# KiCad board MB1635_good_conversion.kicad_pcb (continued)
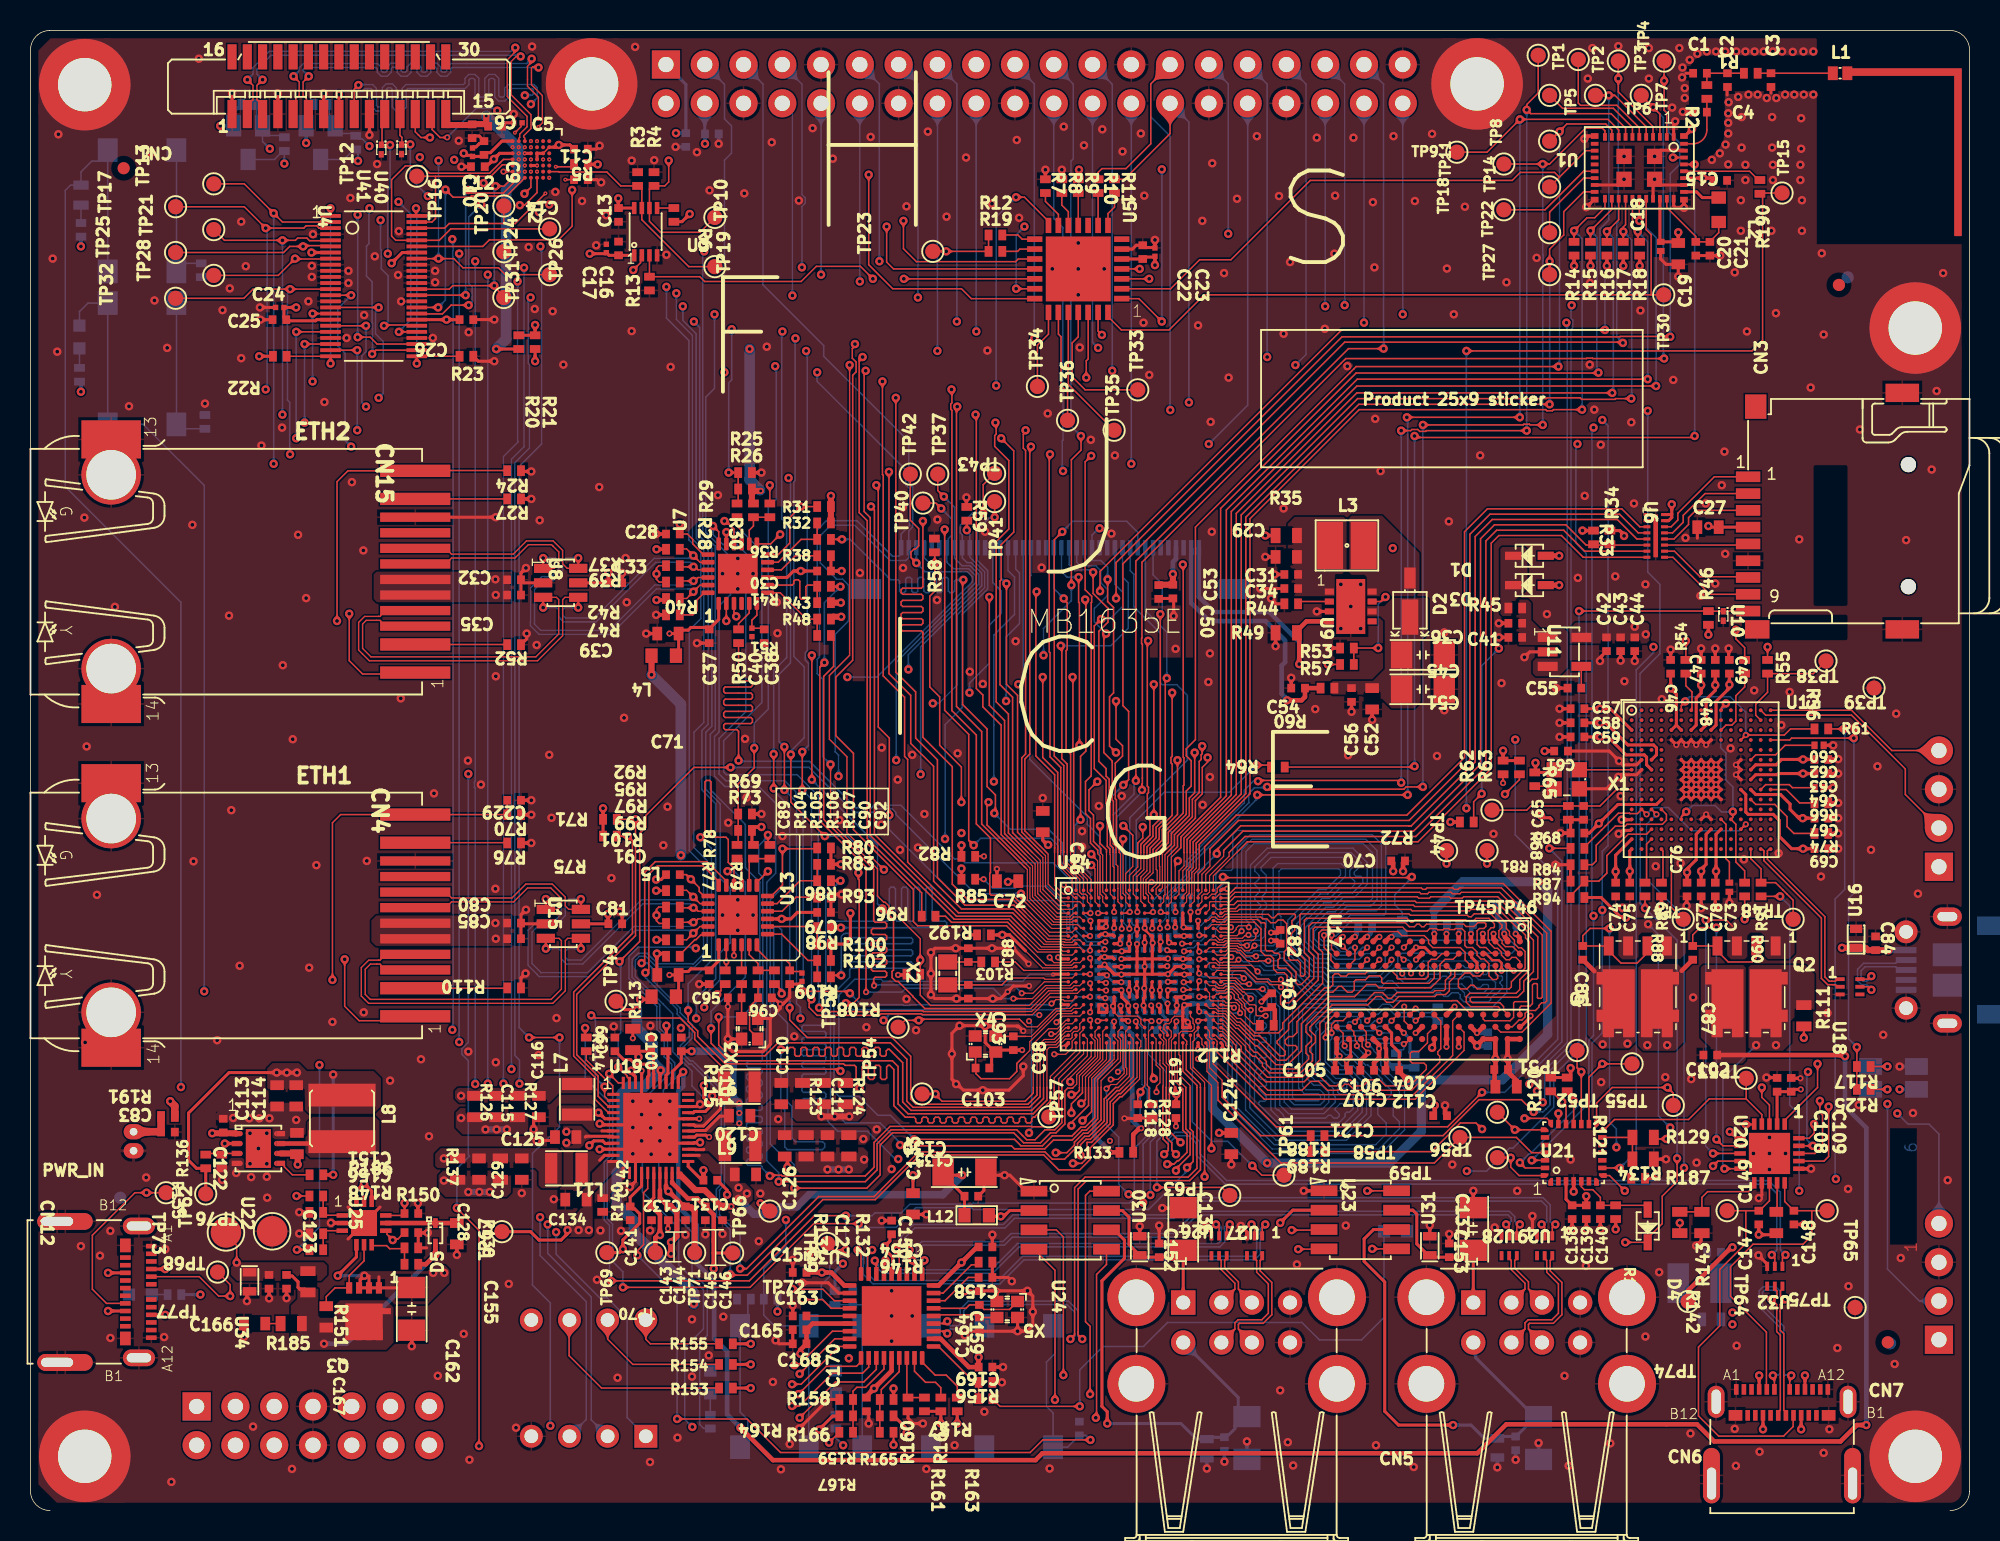
[diagram p0: board, top side]
## Routing (per net, layer and track width the routed paths; a pad name or vN(x,y) marks a point on that pad's centre or on a via; arc(x,y) is an arc through that point) (continued)
NetC73_2: length 4.4
  Top Layer w0.1: U12.M10 111.05,44.98 111.05,42.73 111.28,42.5 C73.2
NetC83_2: length 2.8
  Top Layer w0.5: C83.2 8.55,24.82 ; 8.55,24.82 R191.2 ; 8.55,24.82 8.54,24.83 CN11.1
NetC87_2: length 11.1
  Top Layer w0.1: v1(110.95,22.4) U20.10
  Top Layer w0.3: 108.15,35.38 C87.2
  Bottom Layer w0.1: v1(113.02,30.5) 110.85,28.33 110.85,22.68 110.86,22.67 110.86,22.49 v1(110.95,22.4)
  vias: v1(105.9,30.5) v1(107.2,30.5) v1(114.33,30.5)
NetC88_1: length 2.2
  Top Layer w0.1: X2.1 C88.1 R103.2
NetC90_2: length 4.1
  Top Layer w0.1: C92.2 50.43,35.33 49.8,35.33 C90.2 49.73,35.82 49.48,36.08 48.3,36.08 47.58,36.8 U13.6
NetC93_1: length 8.8
  Top Layer w0.075: U14.M2 68.22,34.9 67.47,34.9 67.39,34.82 66.45,34.82 66.37,34.9 65.17,34.9
  Top Layer w0.09: 65.17,34.9 64.08,34.9 63.85,34.68
  Top Layer w0.1: X2.2 C93.1 63.62,34.45 63.85,34.68
NetC95_2: length 2.3
  Top Layer w0.1: R105.1 C95.2 X3.3
NetC96_2: length 4.1
  Top Layer w0.1: R106.1 C96.2 47.65,33.58 47.1,33.03 47.1,31.5 47.3,31.3 47.3,31.23 X3.1 47.63,30.98
NetC99_1: length 3.8
  Top Layer w0.2: C99.1 38.3,30.1 38.85,29.55 39.3,29.55 39.6,29.25 40.38,29.25 40.5,29.13 40.5,28.5 40.43,28.42 U19.40
NetC136_2: length 11
  Top Layer w0.2: CN5.T1 C136.2 75.05,16.6 C152.2 72.77,16.6 U30.1 71.95,17.43 71.95,19.23 71.52,19.66 U24.7
NetC137_2: length 11.1
  Top Layer w0.2: U23.7 90.54,19.69 90.8,19.43 90.8,17.48 91.55,16.73 U31.1 91.77,16.6 C153.2 94.05,16.6 C137.2 CN6.T1
NetC140_2: length 5.8
  Top Layer w0.1: D4.1 105.93,20 R141.1 C140.2 102.83,20.53 102.33,21.03 101.78,21.03 101.58,21.23 U21.5
NetC142_2: length 5.8
  Top Layer w0.2: 40.7,19.93 40.7,20.38 40.82,20.5 U19.18
  Top Layer w0.3: TP70.1 40.92,17.88 41.1,18.05 v1(41.23,18.05) 41.23,18.18 41.25,18.21 41.22,18.24 41.22,19.4 40.7,19.93 40.82,19.93
NetC147_2: length 26.7
  Top Layer w0.1: CN7.B5 115.45,6.21 115.45,5.5 114.83,4.88 110.58,4.88 109.25,6.2 109.25,10.71 110.65,12.11 110.65,15.8 111.63,16.78 111.63,16.78 112.35,17.5 112.35,19.65 ; 112.35,19.65 C147.2 113.25,19.65 113.9,20.3 U20.13 ; 112.35,19.65 TP64.1
NetC148_2: length 21.1
  Top Layer w0.1: 116.68,19.65 116.68,18.03 116.1,17.45 112.83,17.45 111.35,15.98 111.35,14.04 113.7,11.69 113.7,7.96 CN7.A5 ; 116.68,19.65 C148.2 114.9,20.25 U20.15 ; 116.68,19.65 TP65.1
NetC149_2: length 1.9
  Top Layer w0.1: U20.14 114.4,19.63 C149.2
NetC151_2: length 32.6
  Top Layer w0.1: v1(24.5,20.15) 24.5,19.47 C151.2 24.37,19.34 U25.9 ; 8.46,20.83 v1(7.6,20.83) 6.84,20.83 4.05,18.04 4.05,14.5 4.98,13.58 CN12.B5
  Signal Layer 2 w0.1: v1(7.6,20.83) 14.15,20.83 16.05,18.93 18.02,18.93 18.88,18.08 22.51,18.08 24.5,20.07 v1(24.5,20.15)
NetC155_1: length 4.6
  Top Layer w0.3: C155.1 D5.2 U25.8
NetC156_2: length 22.6
  Top Layer w0.1: U25.7 23.35,18.26 ; 23.35,18.26 23.35,18.1 v1(23.72,17.73) 23.79,17.79 24.06,17.79 24.26,17.98 24.29,17.98 24.5,18.19 24.5,18.23 ; 23.35,18.26 23.36,18.25 ; TP77.1 13.08,14.8 v1(13.08,14.05) 12.33,14.05 11.05,15.33 CN12.A5 ; 24.46,18.25 C156.2
  Signal Layer 2 w0.1: v1(13.08,14.05) 13.63,14.6 22.18,14.6 23.72,16.15 v1(23.72,17.73)
NetC158_2: length 3.6
  Top Layer w0.1: U33.34 59.9,13.75 61.42,15.28 C158.2
NetC159_2: length 5.9
  Top Layer w0.1: U33.33 61.27,13.25 61.5,13.48 C159.2 62.45,13.18 64.12,13.18 X5.1
NetC160_1: length 13.9
  Top Layer w0.2: R151.2 17.95,14.51 17.66,14.51 17.65,14.51 17.63,14.51 17.52,14.62 17.52,14.99 17.14,15.37 16.84,15.37 C160.1
  Top Layer w0.3: D5.1 v1(26.52,16.76) 25.89,16.14 R150.2
  Bottom Layer w0.3: v1(19.22,10.93) 20.68,10.93 v1(26.52,16.76)
NetC161_2: length 6.4
  Top Layer w0.1: TP68.1 12.8,18.08 13.5,17.38 v1(13.5,16.25)
  Top Layer w0.2: CN12.A9 v1(8.82,12.83) ; v1(5.07,13.08) CN12.B4 ; v1(5.07,15.58) CN12.B9 ; CN12.A4 v1(8.82,15.83)
NetC163_2: length 2.8
  Top Layer w0.1: C163.2 U33.14
NetC164_2: length 4.3
  Top Layer w0.1: X5.3 C164.2 61.97,12.83 59.23,12.83 U33.32
NetC166_2: length 1
  Top Layer w0.1: C166.2 R185.1
NetC167_1: length 5.8
  Top Layer w0.1: U25.5 21.84,16.36 20.87,15.39 Q3.4 19.94,14.59 19.37,14.01 19.37,13.14
NetC216_1: length 1
  Top Layer w0.1: v2(75.05,32.05) 75.05,32 74.97,31.92 U14.W15
  Bottom Layer w0.2: 75.02,31.5 75.1,31.58 75.05,31.62 v2(75.05,32.05)
NetC217_1: length 1.3
  Top Layer w0.1: U14.V14 74.16,32.15 74.08,32.08 v2(73.93,32.08)
  Bottom Layer w0.2: v2(73.93,32.08) 73.93,31.78 73.72,31.58 C217.1
NetC219_1: length 10.5
  Top Layer w0.09: U14.W7 v2(70.98,32.05)
  Top Layer w0.3: 70.75,23.48 R133.1
  Bottom Layer w0.3: v2(70.98,32.05) 70.88,31.96 C219.1 70.76,31.12 C220.2 70.76,29.26 69.68,28.18 69.68,24.55 70.73,23.5
  vias: v2(70.73,23.48)
NetC221_2: length 12.7
  Top Layer w0.1: U20.9 110.52,22.9 v1(110.2,22.58) ; v1(107.15,24.35) 106.43,24.35 R129.2 ; 108.05,18.1 108.02,18.13 R142.2 v1(108.02,18.85) ; v1(116.15,30.98) R111.1
  Top Layer w0.2: v1(113.47,5.32) CN7.B9 ; CN7.A4 v1(113.23,8.85) ; CN7.A9 v1(116.23,8.85) ; v1(115.97,5.32) CN7.B4
  Top Layer w0.3: v1(111.48,17.25) 111.46,17.23 111.38,17.23 108.58,14.43 108.58,13.71 TP74.1
  vias: v1(111.47,12.98) v1(111.48,12.2)
NetC224_2: length 32.4
  Top Layer w0.2: U23.6 87.96,18.42 87.35,17.8 87.35,16.33 88.7,14.98 88.7,6.5 89.6,5.6 v1(93.17,5.6)
  Bottom Layer w0.2: v1(93.17,5.6) 94.35,5.6 95.22,4.73 U38.1 96.2,4.85 C226.2 97.3,4.85 97.98,5.54 97.98,5.55 98.59,6.15 C224.2 98.17,6.75 97.92,6.75 94.65,10.03 94.65,10.86 CN6.B1
NetC225_2: length 31.1
  Top Layer w0.2: v1(70.52,5.7) 70.52,6.48 70.17,6.83 70.17,15.05 71.65,16.53 71.65,17.73 70.99,18.39 U24.6
  Bottom Layer w0.2: CN5.B1 79.1,7.41 79.1,6.73 C225.2 79.49,6.15 78.89,5.55 78.89,5.36 78.48,4.96 78.36,4.96 C227.2 77.17,4.8 U39.1 76.37,4.68 75.35,5.7 v1(70.52,5.7)
NetC229_2: length 51.1
  Top Layer w0.1: C229.2 R70.2 31.21,45.61 CN4.12 20.31,45.61 19.78,45.08 v1(19.78,34.78) ; U13.2 v2(45.58,35.95) 45.58,35.48 R104.2
  Signal Layer 2 w0.219: v1(19.78,34.78) 19.84,34.78 20.07,34.55 40.58,34.55 41.97,35.95 v2(45.58,35.95)
NetCN3_1: length 7.1
  Top Layer w0.1: CN3.1 110.29,67.75 107.9,65.36 107.9,64.91 107.46,64.48 U6.14
NetCN3_2: length 6.8
  Top Layer w0.1: U6.13 107.56,64.08 108.25,64.77 108.25,65.22 109.68,66.65 CN3.2
NetCN3_3: length 6.5
  Top Layer w0.1: U6.12 107.65,63.68 108.6,64.63 108.6,65.08 109.08,65.55 CN3.3
NetCN3_5: length 5.5
  Top Layer w0.1: CN3.5 112.43,63.28 U6.11
NetCN3_7: length 6.2
  Top Layer w0.1: CN3.7 112.45,61.2 109.35,61.2 107.68,62.88 U6.10
NetCN3_8: length 6.5
  Top Layer w0.1: CN3.8 110,60.05 107.58,62.48 U6.9
NetCN4_1: length 35
  Top Layer w0.1: v2(46.07,36.37) 46.07,37.07 U13.3 ; CN4.1 24.91,32.1 21.52,32.1 20.57,33.05 v1(20.57,36.13)
  Signal Layer 2 w0.1: v2(46.07,36.37) 41.98,36.37 41.4,36.95 38.9,36.95 38.07,36.13 v1(20.57,36.13)
NetCN4_2: length 4
  Top Layer w0.1: 27.2,34.23 31.21,34.23 R110.2
NetCN4_11: length 6
  Top Layer w0.1: CN4.11 31.2,43.77 R76.2
NetCN15_1: length 34.5
  Top Layer w0.1: v1(46.22,58.6) 46.22,58.72 46.08,58.87 U7.3 ; v1(20.88,58.78) 20.88,55.7 21.75,54.83 25.1,54.83 CN15.1
  Signal Layer 2 w0.1: v1(46.22,58.6) 46.1,58.73 41.75,58.73 41.3,59.18 39.62,59.18 39.2,58.75 20.88,58.75
NetCN15_2: length 6
  Top Layer w0.1: R52.2 31.21,56.76 CN15.2
NetCN15_11: length 6
  Top Layer w0.1: CN15.11 R27.2
NetCN15_12: length 47.3
  Top Layer w0.1: R24.2 31.21,68.16 25.22,68.16 CN15.12 20.79,68.14 20.07,67.43 v1(20.07,58.3) ; v1(45.58,58.3) U7.2
  Signal Layer 2 w0.1: v1(20.07,58.3) 20.12,58.25 45.52,58.25 v1(45.58,58.3)
NetL2_1: length 2.4
  Top Layer w0.2: U1.34 109.12,86.43 109.5,86.05 L2.1
NetL6_1: length 4.2
  Top Layer w0.2: 45.47,27.8 45.19,27.52 45.19,26.32 44.08,25.2 43.53,25.2 43.46,25.28 U19.29
NetL7_1: length 0.7
  Top Layer w0.2: 37.43,24.88 U19.7
NetL8_1: length 3.6
  Top Layer w0.3: U22.7 20,24.05
NetL9_1: length 1
  Top Layer w0.2: 44.1,23.68 44.08,23.65 43.55,23.65 43.52,23.68 U19.25
NetL11_1: length 1
  Top Layer w0.2: 37.27,22.95 37.6,23.28 U19.11
NetL12_2: length 25
  Top Layer w0.2: U24.2 64.14,19.66 63.75,19.28 v1(63.55,19.28) 62.85,19.28 L12.2 ; v1(81.85,18.85) 81.85,18.85 82.68,19.69 U23.2
  Signal Layer 2 w0.2: v1(81.85,18.85) 81.8,18.85 81.23,19.43 77.37,19.43 77.3,19.35 63.58,19.35 63.55,19.33 v1(63.55,19.28)
NetLD1_1: length 1
  Bottom Layer w0.1: LD1.1 R152.1
NetLD2_1: length 36.6
  Top Layer w0.1: R157.1 63,7.23 63.21,7.03 63.3,7.03 63.5,6.83 v1(68.72,6.83)
  Bottom Layer w0.1: 88.47,18.48 LD2.1 88.65,12.65 87.18,11.18 84.42,11.18 83.27,12.33 74.48,12.33 72.9,10.75 70.25,10.75 68.72,9.23 v1(68.72,6.83)
NetLD3_1: length 1.2
  Bottom Layer w0.1: R172.1 LD3.1
NetLD4_1: length 1.3
  Bottom Layer w0.1: R174.1 LD4.1
NetLD5_1: length 2.2
  Top Layer w0.1: R125.1 v1(121.63,27.6)
  Bottom Layer w0.1: R125.1 v1(121.63,27.6)
NetLD5_2: length 2.1
  Top Layer w0.1: R117.1 121.5,29.1
  Bottom Layer w0.1: R117.1 v1(121.63,29.1)
NetLD6_1: length 1.4
  Bottom Layer w0.1: R184.2 LD6.1
NetLD7_1: length 1.4
  Bottom Layer w0.1: R183.2 LD7.1
NetR3_1: length 14.6
  Top Layer w0.1: U2.A6 34.6,87.75 34.63,87.73 37.75,87.73 38.66,86.81 R3.1 39.83,86.81 40.04,86.61 U3.7 40.04,84.6 43.11,81.53 TP19.1
NetR4_1: length 29.5
  Top Layer w0.1: v1(41.8,88.48) 41.8,87.08 41.54,86.81 R4.1 40.74,86.81 40.54,86.61 U3.6 40.54,84.49 41.26,83.78 43.85,83.78 TP10.1
  Signal Layer 1 w0.1: v1(27.75,88.53) 29.3,88.53 29.78,89 31.9,89 31.95,88.95 v3(31.97,88.95)
  Signal Layer 2 w0.1: v1(27.75,88.53) 29.25,88.53 29.75,89.03 30.63,89.03 31.88,87.78 41.1,87.78 v1(41.8,88.48)
NetR5_2: length 2.3
  Top Layer w0.1: v3(34.4,88.07) 35.45,88.07 R5.2
  Signal Layer 1 w0.1: v3(33.58,88.55) 34.06,88.07 v3(34.4,88.07)
NetR6_1: length 1.1
  Top Layer w0.1: U3.5 R6.1
NetR7_2: length 2.5
  Top Layer w0.1: R7.2 66.47,85.8 67.33,84.95 U5.13
NetR8_2: length 2.3
  Top Layer w0.1: U5.12 67.97,85.13 67.55,85.55 R8.2
NetR9_2: length 2.1
  Top Layer w0.1: U5.11 R9.2
NetR10_2: length 2.1
  Top Layer w0.1: U5.9 R10.2
NetR11_2: length 2.3
  Top Layer w0.1: R11.2 71,85.43 70.58,85 U5.8
NetR12_2: length 2.2
  Top Layer w0.1: R12.2 64.68,83.6 64.95,83.33 U5.15
NetR19_2: length 2.2
  Top Layer w0.1: R19.2 64.65,82.53 64.8,82.68 U5.16
NetR22_1: length 14
  Top Layer w0.1: U4.1 v1(19.65,85.35) ; R22.1 U4.24 v1(19.65,75.18)
  Bottom Layer w0.1: v1(19.65,75.18) v1(19.65,85.35)
NetR23_1: length 14
  Top Layer w0.1: U4.48 25.25,84.9 v1(25.25,85.35) ; R23.1 U4.25 v1(25.3,75.18)
  Bottom Layer w0.1: v1(25.25,85.35) 25.3,85.3 v1(25.3,75.18)
NetR28_2: length 1.9
  Top Layer w0.1: U7.15 46.58,64.23 46.27,64.53 R28.2
NetR29_1: length 2.9
  Top Layer w0.1: R30.2 R29.1 47.35,64.53 47.08,64.25 U7.14
NetR32_1: length 4.9
  Top Layer w0.1: R32.1 R36.2 50.48,63.65 48.98,62.15 U7.11
NetR38_1: length 3.6
  Top Layer w0.1: R38.1 50.1,62.58 49.18,61.65 U7.10
NetR41_2: length 6.5
  Top Layer w0.1: U7.8 49.89,60.65 49.99,60.75 49.99,60.9 50.09,61 50.29,61 50.39,60.9 50.39,59.83 50.49,59.73 50.69,59.73 50.79,59.83 50.79,60.55 50.89,60.65 51.45,60.65 R41.2 R43.1
NetR44_2: length 2.1
  Top Layer w0.1: R44.2 83.17,59.58 U9.2
NetR47_1: length 2.9
  Top Layer w0.1: R47.1 43.37,58.7 43.65,58.98 43.65,59.68 44.13,60.15 U7.24
NetR48_1: length 5
  Top Layer w0.1: R51.2 R48.1 50.83,58.43 49.1,60.15 U7.7
NetR50_2: length 2
  Top Layer w0.1: U7.5 47.08,58.83 46.37,58.13 R50.2
NetR53_2: length 7.2
  Top Layer w0.1: v1(88.75,59.88) 88.45,59.58 U9.7 ; v1(88.27,56.53) R53.2 R57.2
  Bottom Layer w0.1: v1(88.75,59.88) 88.27,59.4 v1(88.27,56.53)
NetR54_1: length 2.6
  Top Layer w0.1: R54.1 108.42,54.05 108.83,53.65 108.83,52.58 108.8,52.56 108.8,52.48 U12.A7
NetR55_1: length 4.6
  Top Layer w0.1: U12.C10 111.05,51.48 111.44,51.48 111.7,51.74 111.7,53.4 112.27,53.98 R55.1
NetR56_2: length 7.7
  Top Layer w0.1: TP38.1 116.78,54.85 R56.2 113.78,53.63 113,52.85 113,52.13 U12.B14
NetR64_2: length 16.9
  Top Layer w0.09: U14.C10 72.49,39.64 72.49,39.16 72.5,39.15
  Top Layer w0.1: v1(80.3,48.85) 81.12,48.85 R64.2
  Bottom Layer w0.09: v2(72.5,39.23) 72.44,39.28 72.44,39.43 72.42,39.44 72.42,43.13
  Bottom Layer w0.1: 72.42,43.13 72.42,45.23 74.27,47.08 78.53,47.08 80.18,48.73 80.3,48.73
NetR65_2: length 1.3
  Top Layer w0.1: X1.1 99.62,47.48 R65.2
NetR66_2: length 3.2
  Top Layer w0.1: U12.J15 115,47.25 115.87,46.38 R66.2
NetR77_2: length 2.1
  Top Layer w0.1: U13.15 46.58,42.73 R77.2
NetR78_1: length 3.1
  Top Layer w0.1: U13.14 47.08,42.73 R78.1 R79.2
NetR83_1: length 4.9
  Top Layer w0.1: U13.11 48.9,39.78 50.4,41.28 R86.2 R83.1
NetR84_2: length 8
  Top Layer w0.1: U12.L4 107.15,45.63 107.15,45.24 106.89,44.98 104.58,44.98 104.45,44.85 103.8,44.85 102.55,43.6 102.55,42.58 102.3,42.33 R84.2
NetR85_2: length 11.8
  Top Layer w0.09: R85.2 v2(62.42,41.38) ; U14.J5 70.17,36.65 70.29,36.78 v2(70.35,36.78) 70.39,36.78
  Bottom Layer w0.09: v2(62.42,41.38) 63.03,40.78 64.5,40.78 64.65,40.93 66.58,40.93 68.08,39.43 68.08,38 69.02,37.05 70.08,37.05 v2(70.35,36.78)
NetR87_2: length 7.9
  Top Layer w0.1: R94.1 100.88,40.3 101.77,41.2 R87.2 102.73,41.25 103.25,41.78 103.25,42.93 104.65,44.33 105.85,44.33 U12.N3
NetR91_2: length 6.3
  Top Layer w0.1: U12.R13 112.67,42.73 113.35,42.05 R91.2 114.3,41.15 114.77,40.68 114.78,40.68 115.03,40.43 115.45,40 TP48.1
NetR93_1: length 3.6
  Top Layer w0.1: R93.1 50.15,40.2 49.23,39.28 U13.10
NetR96_1: length 10.4
  Top Layer w0.075: 65.17,37.38 65.95,36.6 67.42,36.6 67.62,36.4 68.22,36.4 U14.J2
  Top Layer w0.1: 65.17,37.38 64,38.55 60.33,38.55 59.92,38.95 R96.1
NetR98_2: length 4.4
  Top Layer w0.1: U13.8 51.45,38.28 R98.2 R100.1
NetR101_1: length 2.5
  Top Layer w0.1: R101.1 42.52,36.42 43.52,37.41 43.59,37.41 43.89,37.72 44.32,37.72 U13.24
NetR102_1: length 5
  Top Layer w0.1: U13.7 49.2,37.78 50.92,36.05 R102.1 R109.2
NetR103_1: length 6.1
  Top Layer w0.075: 65.17,35.4 68.72,35.4 U14.L3
  Top Layer w0.09: 65.17,35.4 65.05,35.4 64.5,35.95
  Top Layer w0.1: R103.1 64.5,35.95
NetR105_2: length 1.7
  Top Layer w0.1: R105.2 U13.4
NetR106_2: length 3
  Top Layer w0.1: R107.2 R106.2 47.65,35.85 47.08,36.43 U13.5
NetR112_2: length 4.4
  Top Layer w0.075: U14.R20 77.67,33.85 77.83,33.85 77.87,33.9 78.29,33.9 78.36,33.97 78.67,33.97 78.85,33.79 78.85,33.58 78.96,33.47 79.04,33.47 79.33,33.18 79.34,33.16 79.34,32.96 79.56,32.74 79.56,32.42 80.08,31.9 80.5,31.9
NetR114_2: length 3.6
  Top Layer w0.1: R114.2 36.4,29.53 37.38,28.55 37.38,28.55 37.72,28.2 37.78,28.2 38.13,27.84 38.13,27.32 U19.1
NetR115_2: length 2.2
  Top Layer w0.2: R115.2 41.75,29.97 41.75,28.65 41.63,28.53 U19.37
NetR128_1: length 5.3
  Top Layer w0.075: 73.26,27.73 73.15,27.84 73.15,30.08 73.23,30.16 73.23,31.4 U14.W12
  Top Layer w0.1: R128.1 73.47,26.63 73.26,26.83 73.26,27.73
NetR135_1: length 2.1
  Top Layer w0.1: U22.3 12.6,23.4 R136.2 12.45,23.4 11.55,23.4 R135.1
NetR142_1: length 6.3
  Top Layer w0.1: U20.11 112.9,21.28 112.53,20.9 109.85,20.9 109.47,20.53 R143.2 R142.1
NetR146_2: length 3.8
  Top Layer w0.1: U33.35 59.77,14.25 61.62,16.1 61.93,16.1 R146.2
NetR148_2: length 3.3
  Top Layer w0.1: 24.49,16.09 24.49,17.16 23.52,17.16 23.32,17.36 22.34,17.36
NetR153_1: length 13.1
  Top Layer w0.1: SW1.6 35.28,12.46 35.28,10.15 37.4,8.03 R153.1
NetR154_1: length 9.2
  Top Layer w0.1: R154.1 39.45,9.58 37.8,11.23 SW1.7
NetR155_1: length 6.2
  Top Layer w0.1: SW1.8 40.3,11.23 40.6,10.93 R155.1
NetR156_2: length 5
  Top Layer w0.1: U33.28 59.48,10.75 61.65,8.58 61.93,8.58 R156.2 R157.2
NetR158_2: length 6.1
  Top Layer w0.1: U33.22 55.9,9.28 54.7,8.08 54.12,8.08 53.87,7.83 R158.2 R164.1 R166.2
NetR159_2: length 5.4
  Top Layer w0.1: R167.2 R165.1 R159.2 55.73,7.38 55.73,7.93 56.9,9.1 U33.24
NetR160_2: length 3.7
  Top Layer w0.1: U33.25 57.4,7.48 R160.2 R161.1
NetR162_2: length 3.7
  Top Layer w0.1: R162.2 59.63,8.05 59.27,8.4 58.62,8.4 57.9,9.13 U33.26
NetR163_1: length 4
  Top Layer w0.1: R163.1 60.7,8.15 59.98,8.88 59.25,8.88 58.4,9.73 U33.27
NetR179_2: length 2.1
  Top Layer w0.2: 89.55,31.7 v2(89.95,31.3)
  Bottom Layer w0.2: 90.45,29.92 90.35,30.02 90.35,30.9 v2(89.95,31.3)
NetR186_1: length 2.2
  Top Layer w0.1: U22.5 16.5,22.75 16.62,22.63 16.62,22.53 17.15,22 R186.1
NetR190_2: length 5.2
  Top Layer w0.1: R190.2 113.07,87.41 112.97,87.41 112.6,87.78 U1.37
NetR191_1: length 76.8
  Top Layer w0.075: U14.L2 68.45,35.63 68.33,35.63 68.27,35.57 66.28,35.57 65.17,36.68
  Top Layer w0.2: R192.1 v1(63.65,37.73) 64.12,37.73 65.17,36.68
  Top Layer w0.5: v1(9.15,26.83) 9.15,26.81 9.45,26.51 R191.1
  Signal Layer 2 w0.5: v1(9.15,26.83) 9.15,28.58 10.2,29.63 10.2,36.33 13.27,39.4 31.13,39.4 32.32,38.2 35.48,38.2 37.2,39.93 37.82,39.93 40.05,42.15 43.99,42.15 45.19,40.95 49.17,40.95 50.58,39.55 53.22,39.55 53.87,40.2 61.17,40.2 v1(63.65,37.73)
NetTP2_1: length 8.1
  Top Layer w0.1: TP2.1 101.38,92.25 101.53,92.1 103.9,92.1 105.37,90.63 U1.6
NetTP5_1: length 6.9
  Top Layer w0.1: TP5.1 100.35,91.9 103.68,91.9 104.93,90.65 U1.7
NetTP12_1: length 10.7
  Top Layer w0.1: 26.53,87.45 26.53,84.68 26.3,84.45 U4.47 ; 26.53,87.45 30.15,87.45 30.9,88.2 31.5,88.2 31.55,88.15 U2.G5 ; 26.53,87.45 25.4,87.45 25.3,87.55
NetTP16_1: length 13.8
  Top Layer w0.1: U4.46 27.13,84.05 27.43,84.35 31,84.35 ; 31,84.35 31.75,84.35 v3(33.73,86.33) ; 31,84.35 TP16.1
  Signal Layer 1 w0.1: v3(32.38,88.15) 32.78,88.15 33.06,88.43 33.29,88.43 33.67,88.05 33.67,86.46 33.69,86.44 33.69,86.36 v3(33.73,86.33)
NetTP18_1: length 7
  Top Layer w0.1: TP18.1 99.2,85.25 101.73,87.78 U1.17
NetTP20_1: length 23.3
  Top Layer w0.1: TP20.1 27.53,84 26.78,83.25 U4.44 23.92,83.25 23.65,83.53 23.65,87.23 24.55,88.13 25.65,88.13 26.13,87.65 30.07,87.65 30.97,88.55 U2.G4
NetTP22_1: length 5.2
  Top Layer w0.1: U1.18 101.73,87.33 99.5,85.1 TP22.1
NetTP24_1: length 20.9
  Top Layer w0.1: U4.43 29.63,82.85 30.05,83.28 31,83.28 ; v1(35.48,86.55) 35.48,84.18 34.58,83.28 31,83.28 ; 31,83.28 TP24.1
  Signal Layer 1 w0.1: v1(35.48,86.55) 35.48,89.33 34.85,89.95 34.44,89.95 34.17,89.68 34.17,89.16 34.04,89.03 33.37,89.03 33.21,88.87 32.7,88.87 v3(32.38,88.55)
NetTP26_1: length 21.5
  Top Layer w0.1: TP26.1 31.1,81 30.65,81.45 28.32,81.45 27.72,82.05 v1(26.72,82.05) U4.41
  Signal Layer 1 w0.1: v1(26.72,88.48) 27.55,87.65 30.05,87.65 30.95,88.55 v3(31.97,88.55)
  Bottom Layer w0.1: v1(26.72,82.05) v1(26.72,88.48)
NetTP31_1: length 14.1
  Top Layer w0.1: TP31.1 31,79.58 30.38,80.2 v1(30.38,80.28) 27.65,80.28 27.42,80.05 U4.36 ; U2.G7 31.03,86.8 v1(30.45,86.8)
  Bottom Layer w0.1: v1(30.45,86.8) 30.38,86.73 v1(30.38,80.28)
NetTP33_1: length 9
  Top Layer w0.1: U5.25 68.62,76.93 68.23,76.53 68.23,74.3 69.08,73.45 TP33.1
NetTP34_1: length 5.2
  Top Layer w0.1: TP34.1 65.95,76.38 66.67,77.1 U5.22
NetTP35_1: length 9
  Top Layer w0.1: TP35.1 67.97,73.8 U5.24
NetTP36_1: length 7.3
  Top Layer w0.1: TP36.1 67.92,73.3 67.5,73.73 67.5,76.93 67.33,77.1 U5.23
NetTP45_1: length 22.9
  Top Layer w0.1: U14.P18 76.47,34.15 76.47,34.54 76.49,34.56 76.49,34.67 76.47,34.69 ; v1(92.75,42.4) TP45.1
  Signal Layer 2 w0.1: v1(92.75,42.4) 92.7,42.4 91.03,40.73 80.08,40.73 77.92,38.58 77.92,35.08 77.55,34.7 v2(76.55,34.7)
NetTP46_1: length 27.1
  Top Layer w0.09: v2(75.5,34.13) 75.95,34.13 U14.P17
  Top Layer w0.1: v1(95.4,42.4) TP46.1
  Signal Layer 2 w0.1: v1(95.4,42.4) 95.35,42.4 93.48,40.53 80.18,40.53 78.12,38.48 78.12,34.4 77.85,34.13 v2(75.5,34.13)
NetTP52_1: length 25.2
  Top Layer w0.1: U21.16 102.08,28.4 v1(102.95,29.28) 104.83,29.28 104.9,29.35 ; U20.1 114.9,25.58 117.05,27.73 v1(117.05,29.28)
  Signal Layer 2 w0.1: v1(102.95,29.28) v1(117.05,29.28)
NetTP55_1: length 16.4
  Top Layer w0.1: TP55.1 107.6,27.35 v1(107.23,27.73) 103.6,27.73 102.58,26.7 U21.15 ; v1(113.4,27.73) 113.4,27.08 113.9,26.58 U20.3
  Signal Layer 2 w0.1: v1(107.23,27.73) v1(113.4,27.73)
NetTP57_1: length 6.8
  Top Layer w0.075: U14.W3 68.95,31.63 68.95,31.5 68.72,31.28 68.72,30.03 67.05,28.35 67.05,27.73
  Top Layer w0.1: 67.05,27.73 67.05,26.68 66.78,26.4 66.78,25.8
NetU2_C6: length 28
  Top Layer w0.1: v1(21.42,76.9) 22.25,76.9 22.7,76.45 U4.27
  Signal Layer 1 w0.1: v3(33.17,87.75) 33.17,85.95 33.52,85.6 v1(33.98,85.6)
  Signal Layer 2 w0.1: v1(21.42,84.93) 22.55,84.93 22.75,85.13 23.48,85.13 23.83,84.78 25.38,84.78 25.53,84.93 32.02,84.93 32.22,85.13 32.23,85.13 32.48,85.37 32.48,85.38 32.7,85.6 v1(33.98,85.6)
  Bottom Layer w0.1: v1(21.42,76.9) v1(21.42,84.93)
NetU2_C7: length 25.8
  Top Layer w0.1: U4.26 22.62,76.05 v1(22.38,75.8) ; U2.C7 33.17,86.38 32.35,85.55 v1(32.05,85.55)
  Signal Layer 2 w0.1: v1(22.2,85.35) 24.62,85.35 25.05,85.78 25.43,85.78 26.08,85.13 31.63,85.13 v1(32.05,85.55)
  Bottom Layer w0.1: v1(22.38,75.8) 22.4,75.83 22.4,77.83 22.38,77.85 22.38,80.53 22,80.9 22,82.86 22.16,83.02 22.16,85.31 v1(22.2,85.35)
NetU2_D6: length 22.9
  Top Layer w0.1: U4.30 25.25,77.7 23.2,77.7 v1(23.15,77.65)
  Signal Layer 1 w0.1: v3(32.78,87.75) 32.78,85.63 v1(33.3,85.1)
  Signal Layer 2 w0.1: v1(22.92,84.58) 25.6,84.58 25.7,84.68 32.88,84.68 v1(33.3,85.1)
  Bottom Layer w0.1: v1(22.92,84.58) 22.92,82.66 22.97,82.61 22.97,82.2 22.98,82.2 22.98,81.37 23.42,80.92 23.42,77.93 v1(23.15,77.65)
NetU2_D7: length 20.3
  Top Layer w0.1: v1(24.12,77.25) U4.29 ; v1(32.35,86.3) 32.78,86.73 U2.D7
  Signal Layer 2 w0.1: v1(32.35,86.3) 30.99,86.3 30.86,86.18 29.26,86.18 28.81,85.73 25.8,85.73 25.45,86.08 24.4,86.08 v1(24.1,85.78)
  Bottom Layer w0.1: v1(24.12,77.25) 24.9,78.03 24.9,84.98 v1(24.1,85.78)
NetU2_E6: length 14.9
  Top Layer w0.1: v1(28.7,79) 27.55,79 26.97,78.43 25.33,78.43 U4.32
  Signal Layer 1 w0.1: v3(32.38,87.75) 32.38,87.03 30.95,85.6 v1(29.52,85.6)
  Bottom Layer w0.1: v1(28.7,79) 28.93,79.23 28.93,80.2 28.7,80.42 28.7,84.78 v1(29.52,85.6)
NetU2_E7: length 15.3
  Top Layer w0.1: v1(27.17,86.58) 27.67,86.08 28.8,86.08 28.88,86.15 31.18,86.15 U2.E7 ; U4.33 v1(26.7,78.85)
  Bottom Layer w0.1: v1(27.17,86.58) 27.17,79.33 v1(26.7,78.85)
NetU2_F7: length 14
  Top Layer w0.1: v1(28.68,86.55) 28.88,86.35 30.98,86.35 U2.F7 ; U4.35 25.3,79.65 v1(28.5,79.65)
  Bottom Layer w0.1: v1(28.5,79.65) 28.5,85.88 28.5,86.27 28.67,86.44 v1(28.67,86.55)
NetU12_G1: length 3.4
  Top Layer w0.1: X1.3 U12.G1
notOC1: length 45.2
  Top Layer w0.1: U23.8 89.47,20.95 v1(87.55,20.95) ; v1(50.58,13.83) 51.88,13.83 52.45,13.25 U33.13
  Signal Layer 2 w0.1: v1(50.58,13.83) 65.47,13.83 69.4,17.75 82.85,17.75 86.05,20.95 v1(87.55,20.95)
notOC2: length 46.8
  Top Layer w0.1: v1(50.37,8.95) 52.67,11.25 U33.17 ; U23.5 89.47,17.15 v1(87.87,17.15)
  Signal Layer 2 w0.1: v1(87.87,17.15) 84.08,17.15 83.63,16.7 82.85,16.7 82.8,16.75 70.38,16.75 62.83,9.2 50.63,9.2 v1(50.37,8.95)
notOC3: length 39.3
  Top Layer w0.1: v1(69.4,7.63) 69.4,12.08 69.1,12.38 69.1,20.65 69.38,20.93 U24.8 ; U33.19 54.4,9.75 54.1,9.45 52.12,9.45 v1(50.3,7.63)
  Signal Layer 2 w0.1: v1(69.4,7.63) 69.12,7.9 65.77,7.9 65.49,7.63 57.09,7.63 56.99,7.53 50.58,7.53 50.57,7.54 50.39,7.54 v1(50.3,7.63)
notOC4: length 38.5
  Top Layer w0.1: U33.21 55.4,9.25 54.58,8.43 52.73,8.43 v1(50.38,6.08) ; v1(69.78,6.08) 69.83,6.13 69.83,15.48 70.47,16.13 U24.5
  Signal Layer 2 w0.1: v1(69.78,6.08) 66.35,6.08 66,5.73 61.99,5.73 61.17,6.55 50.85,6.55 v1(50.38,6.08)
NRST: length 261.7
  Top Layer w0.075: 72.87,27.73 72.98,27.83 72.98,30.15 73.06,30.23 73.06,30.92 73,30.98 73,31.13 U14.Y11
  Top Layer w0.1: 72.67,27.53 72.87,27.73 ; v1(72.7,27.43) 72.63,27.43 72.52,27.33 C118.1 ; v1(64.55,86.08) 65.1,86.08 66.67,84.5 U5.14 ; v1(53.4,19.33) 51.35,19.33 47.08,15.05 v1(38.02,15.05) ; R114.1 36.32,31.08 v1(36.32,31.63) ; v1(105.75,39.48) R88.2 ; v1(107.85,23.08) 107.85,21.58 106.87,20.6 106.87,18.8 105.92,17.85 105.92,17.58 v1(104.45,17.58) ; TP29.1 52.63,17.08 v1(53.4,17.08)
  Signal Layer 2 w0.1: v1(63.25,73.73) 102.08,73.73 103.72,72.08 v1(105.92,72.08) ; v1(53.4,19.33) 55.27,19.33 55.8,19.85 61.62,19.85 62.62,18.85 72.1,18.85 72.35,19.1 77.4,19.1 77.47,19.18 81.05,19.18 81.3,18.93 81.3,18.8 81.68,18.43 82.03,18.43 82.28,18.67 82.28,18.78 84.97,21.48 95.5,21.48 99.4,17.58 v1(104.45,17.58)
  Bottom Layer w0.1: v1(63.25,73.73) 63.25,84.78 v1(64.55,86.08) ; B5.2 B5.1 54.69,12.32 54.69,13.6 ; 37.93,23.2 37.57,22.85 37.57,19.04 37.93,18.69 37.93,15.33 37.94,15.32 37.94,15.14 v1(38.02,15.05) ; 37.93,23.2 37.93,26.73 36.32,28.33 v1(36.32,31.63) ; 37.93,23.2 37.93,23.75 ; 54.69,13.6 54.58,13.49 C223.2 R180.1 52.21,13.49 51.8,13.9 51.8,14.8 52.35,15.35 52.35,16.02 v1(53.4,17.08) v1(53.4,19.33) 55.12,19.33 55.3,19.5 57.03,19.5 57.6,20.08 61.65,20.08 61.72,20.15 71.97,20.15 72.3,20.48 72.3,20.5 72.35,20.55 72.35,20.9 72.3,20.95 72.3,23.73 73.23,24.66 73.23,25.43 72.67,25.98 72.67,27.53 ; 54.69,13.6 U37.1 ; v1(105.92,72.08) 105.92,61.5 106.72,60.7 106.72,56.15 105.42,54.85 105.42,39.8 v1(105.75,39.48) 107.85,37.38 v1(107.85,23.08)
PA13: length 113.2
  Top Layer w0.09: 69.48,32.73 U14.T4
  Signal Layer 2 w0.09: 65.17,31.75 65.2,31.73 66.12,31.73 67.05,32.65 v2(69.4,32.65)
  Signal Layer 2 w0.1: v1(11.38,34.03) 11.4,34.05 43.93,34.05 44.58,33.4 45.45,33.4 46.77,34.73 52.85,34.73 52.92,34.65 54.9,34.65 55.08,34.83 55.43,34.83 55.58,34.68 57.03,34.68 57.08,34.73 57.25,34.73 59.43,32.55 64.38,32.55 65.17,31.75